# Altium PCB PCB1.PcbDoc
Units mil, origin at the board's own origin, x right, y up, seen from the top; angles counter-clockwise.
Board outline 6000 x 4000 mil, 2 copper layers (Top Layer, Bottom Layer); 34 components, 28 nets, 103 pads, 0 vias.
Unrouted connection lines stored in the file: 71.
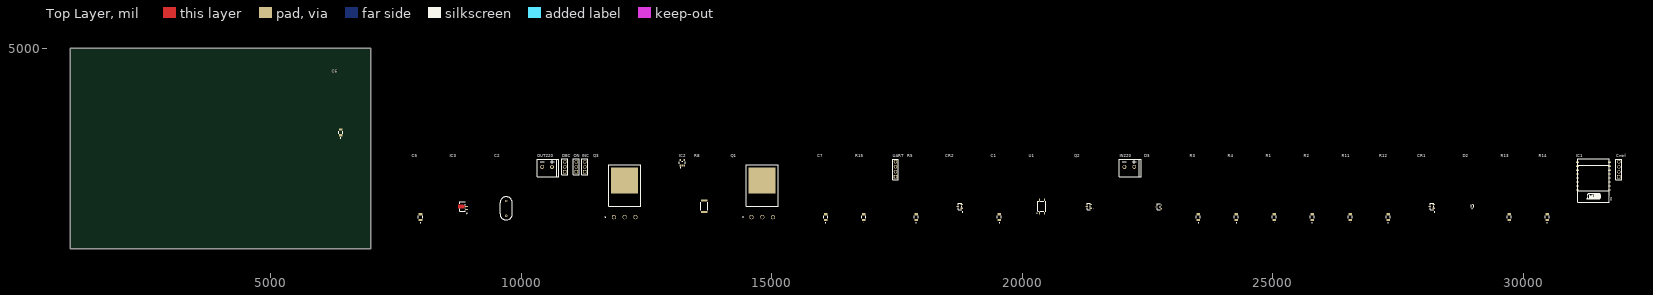
[diagram p0: Top Layer view]
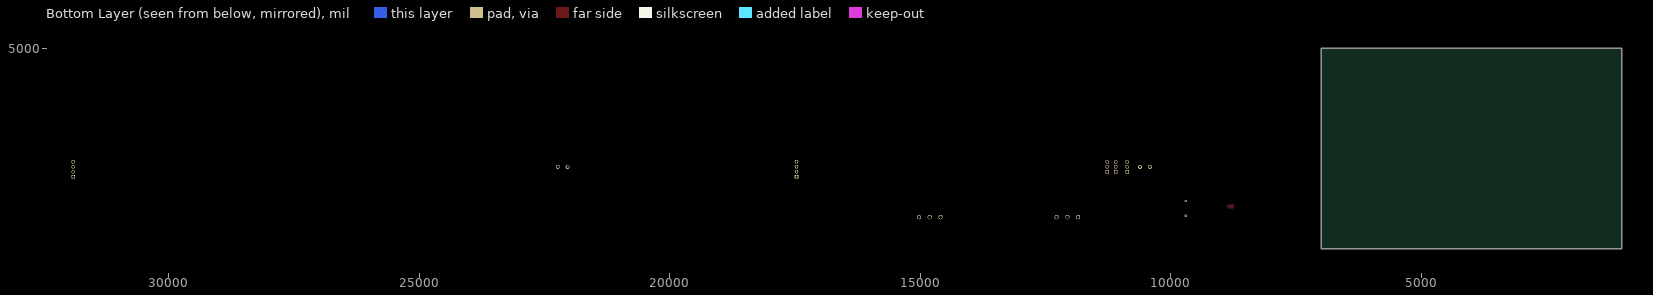
[diagram p1: Bottom Layer view, seen from below]

## Layer stack, top to bottom
Top Solder: solder mask 0.4, Solder Resist, Dk 3.5
Top Layer: signal copper 1.4
Dielectric 1: dielectric 12.6, FR-4, Dk 4.8
Bottom Layer: signal copper 1.4
Bottom Solder: solder mask 0.4, Solder Resist, Dk 3.5

## Board outline
1000,1000 7000,1000 7000,5000 1000,5000

## Design rules (kind name [scope] priority, off if disabled: settings)
Clearance [All] p1: gap=10
PolygonConnect [All] p1: connectstyle=Relief reliefconductorwidth=10 reliefentries=4 polygonreliefangle="90 Angle" airgapwidth=10
RoomDefinition dimmer [InComponentClass('dimmer')] p1: confinementstyle=ConfineIn formatcopy=TRUE lockcomponents=FALSE outline 7045,1060 32120,1060 32120,2900 7045,2900
RoutingVias [All] p1: holewidth=28 width=50 viastyle="Through Hole" minholewidth=28 minwidth=50 maxholewidth=28 maxwidth=50
SolderMaskExpansion [All] p1: expansion=4
Width [All] p1: maxlimit=10 minlimit=10 preferedwidth=10
30 further rules are at their usual default settings.

## Components (designator, comment, footprint, x,y, rotation, side; value= is the part's Value field where it differs from the comment)
C1 "1206 0.47u" CAP_X7R_1206_AVX 19545,1630 r90 top
C2 "CK45-E3AD103ZYGNA (0.01u)" CAP_CK45E3103_TDK 9700,1805 r90 top
C5 "C-1206 (0.1u)" CAP_X7R_1206_AVX 7990,1630 r90 top
C6 "C-1206" CAP_X7R_1206_AVX 6395,3321.11 r90 top
C7 "C-1206 0.47u" CAP_X7R_1206_AVX 16075,1630 r90 top
Cntrl "PLS-4" PLS-4 31905,2435 r90 top
CR1 "BAV99LT1G" SOT-23_TO-236_318-08_ONS 28175,1845 r90 top
CR2 "BAV99LT1G" SOT-23_TO-236_318-08_ONS 18755,1845 r90 top
D2 "1N4148WT" CR_SOD-523F_ONS 28985,1845 r90 top
D3 "BZX84C22VLFHT116" TRANS_BZX84_ROM 22725,1835 r90 top
DEC "PLS-3" PLS-3 10870,2635 r90 top
IC1 "ESP8266 ESP-07" "ESP8266 ESP-07" 31715,1955 r90 top
IC2 "FAN3100TSX" ON_Semi_527AH_0 13215,2715 r0 top
IC3 "L78L33ABUTR" SOT-89_STM 8830,1845 r90 top
IN220 "300-021-12" 300-021-12 21940,2435 r0 top
INC "PLS-3" PLS-3 11270,2635 r90 top
ON "PLS-3" PLS-3 11100,2635 r90 top
OUT220 "300-021-12" 300-021-12 10320,2435 r0 top
Q1 "IRFP460APBF" TO-247AC_VIS 14595,1630 r0 top
Q2 "BC807-25,215" SOT23_BC807_NEX 21325,1845 r90 top
Q3 "IRFP460APBF" TO-247AC_VIS 11850,1630 r0 top
R1 "120k" CAP_X7R_1206_AVX 25030,1630 r90 top
R2 "10k" CAP_X7R_1206_AVX 25785,1630 r90 top
R3 "330k" CAP_X7R_1206_AVX 23515,1630 r90 top
R4 "220" CAP_X7R_1206_AVX 24275,1630 r90 top
R5 "120k" CAP_X7R_1206_AVX 17880,1630 r90 top
R8 "220" RES2512_TL_TYCO_TYC 13655,1845 r90 top
R11 "10k" CAP_X7R_1206_AVX 26545,1630 r90 top
R12 "10k" CAP_X7R_1206_AVX 27300,1630 r90 top
R13 "10k" CAP_X7R_1206_AVX 29720,1630 r90 top
R14 "10k" CAP_X7R_1206_AVX 30475,1630 r90 top
R15 "10k" CAP_X7R_1206_AVX 16835,1630 r90 top
U1 "TLP183(GR-TPL,E" "4pin SO6_TOS" 20390,1845 r90 top
UART "PLS-4" PLS-4 17470,2435 r90 top

## Footprints (in the part's own frame and the unit in brackets; to place one, negate y for a bottom-side part, rotate by r counter-clockwise, add the part's x,y. Pads: shape width x height; smd on the part's side, far side on the other; paste and mask are expansions set on the pad)
"4pin SO6_TOS" [mil]
  rect 47.56x17.97 smd paste+0 mask+0: 1(-135.5,50) 3(-135.5,-50) 4(135.5,-50) 6(135.5,50)
  silkscreen extent -100,-78 100,78, body extent -138,-73 138,73, height 87
300-021-12 [mm]
  round 2 hole 1.2: 1(2.5,5) 2(7.5,5)
  silkscreen extent 0,0 11,9
CAP_CK45E3103_TDK [mil]
  round 46 hole 26 mask+0: 1(-147.64,0) 2(147.64,0)
  silkscreen extent -232,-123 232,123, body extent 0,0 10,10, height 10
CAP_X7R_1206_AVX [mil]
  rect 43.78x71 smd paste+0 mask+0: 1(-58.89,0) 2(58.89,0)
  silkscreen extent -117,-40 25,40, body extent -67,-36 67,36, height 50
CR_SOD-523F_ONS [mil]
  rect 15.87x14 smd paste+0 mask+0: 1(-33.44,0) 2(33.44,0)
  silkscreen extent -30,-23 30,23, body extent -34,-17 34,17, height 28
"ESP8266 ESP-07" [mm] "ESP8266 ESP-01"
  rect 0.6x1.4 smd: 1(5.533,-0.178) 2(7.533,-0.178) 3(9.533,-0.178) 4(11.533,-0.178) 5(13.533,-0.178) 6(15.533,-0.178) 7(17.533,-0.178) 8(19.533,-0.178) 9(19.533,16.104) 10(17.533,16.104) 11(15.533,16.104) 12(13.533,16.104) 13(11.533,16.104) 14(9.533,16.104) 15(7.533,16.104) 16(5.533,16.104)
  silkscreen extent -0.8,-0.05 21.25,16, body extent -0.81,0.07 21.19,16.07, height 3.5
ON_Semi_527AH_0 [mm]
  rect 0.7x1 smd paste+0 mask+0: 1(-0.95,-1.3) 2(0,-1.3) 3(0.95,-1.3) 4(0.95,1.3) 5(-0.95,1.3)
  silkscreen extent -1.5,-2.5 1.5,0.85, body extent -1.6,-1.9 1.6,1.9, height 1.5
PLS-3 [mm]
  rect 1.8x1.8 hole 1.2: 1(-2.605,-0.005)
  round 1.8 hole 1.2: 2(-0.065,-0.005) 3(2.475,-0.005)
  silkscreen extent -4.03,-1.5 3.97,1.5
PLS-4 [mm]
  rect 1.8x1.8 hole 1.2: 1(0,0)
  round 1.8 hole 1.2: 2(2.54,0) 3(5.08,0) 4(7.62,0)
  silkscreen extent -1.42,-1.5 9.01,1.5, body extent -1.28,-1.25 8.88,1.29, height 9.2
RES2512_TL_TYCO_TYC [mil]
  rect 39.87x126 smd paste+0 mask+0: 1(-113.94,0) 2(113.94,0)
  silkscreen extent -82,-68 82,68, body extent -126,-63 126,63, height 24
SOT23_BC807_NEX [mil]
  rect 21.36x45.56 smd paste+0 mask+0: 1(-37.5,-40) 2(37.5,-40) 3(0,40)
  silkscreen extent -64,-96 64,33, body extent -59,-49 59,49, height 43
SOT-23_TO-236_318-08_ONS [mil]
  rect 22.36x49.56 smd paste+0 mask+0: 1(-37.4,-41) 2(37.4,-41) 3(0,41)
  silkscreen extent -115,-57 65,33, body extent -60,-52 60,52, height 44
SOT-89_STM [mil]
  rect 19x54.87 smd paste+0 mask+0: 1(-61.81,-78.44) 3(61.81,-78.44)
  rect 22x54.87 smd paste+0 mask+0: 2(0,-78.44)
  Top Layer region: 11,-51 -11,-51 -11,-37 -36.98,-12.98 -36.98,82.78 36.98,82.78 36.98,-12.98 11,-37.98
  silkscreen extent -145,-89 96,56, body extent 0,0 10,10, height 10
TO-247AC_VIS [mil]
  round 85 hole 65 mask+0: 1(0,0) 2(214.96,0) 3(429.92,0)
  rect 540x515 smd paste+0 mask+0: 4(214.96,734)
  silkscreen extent -178,-5 532,1046, body extent -98,-14 527,1041, height 211
TRANS_BZX84_ROM [mil]
  rect 22x36 smd paste+0 mask+0: 1(-37.4,-47) 2(37.4,-47) 3(0,47)
  silkscreen extent -62,-31 62,31, body extent -57,-51 57,51, height 45

## Part data
C1 C5 C7: library part C-1206, "No Description Available"
C2: library part CK45-E3AD103ZYGNA, "No Description Available"
C6 CR1 CR2 D2 D3 IC3 Q1 Q2 Q3 U1: "No Description Available"
R1 R2 R3 R4 R5 R11 R12 R13 R14 R15: library part R-1206, "R-1206"
R8: library part R-2512, "No Description Available"

## Nets (pads, with @x,y where several pads share a name; then routed paths per layer and width w, separated by ;. In a path a pad name is that pad's centre, name@x,y a point inside that pad or via, vN(x,y) a via of type N, cw(c..) or ccw(c..) an arc to the next point about the centre after c; other vN are vias at no path point)
BTN_DEC: DEC.1 IC1.5
BTN_INC: IC1.6 INC.1
BTN_ON: IC1.7 ON.1
DETECT_NULL: IC1.13 R2.1 U1.6
GND: C5.1 C6.1 C7.1 Cntrl.2 Cntrl.3 DEC.3 IC1.9 IC2.2 IC2.4 IC3.2 INC.3 ON.3 Q1.2 Q3.2 R15.1 U1.4 UART.1
LOAD_CNTRL: IC1.4 IC2.3
MODE: IC1.14 UART.4
NetC1_1: C1.1 CR1.1 CR2.1 D3.2 R3.1 U1.3
NetC1_2: C1.2 D2.1 R4.1
NetC2_1: C2.1 OUT220.2 Q3.3
NetC2_2: C2.2 R8.1
NetCntrl_1: Cntrl.1 IC1.1 R12.1
NetCntrl_4: Cntrl.4 IC1.12 R13.1
NetCR1_2: CR1.2 CR2.2 D2.2 D3.3 Q2.1 R3.2
NetCR1_3: CR1.3 R1.2
NetCR2_3: CR2.3 R5.2
NetIC1_3: IC1.3 R11.1
NetIC1_10: IC1.10 R15.2
NetIC1_11: IC1.11 R14.1
NetIC2_5: IC2.5 Q1.1 Q3.1
NetIN220_1: IN220.1 OUT220.1 R5.1
NetIN220_2: IN220.2 Q1.3 R1.1 R8.2
NetQ2_2: Q2.2 R4.2
NetQ2_3: Q2.3 U1.1
RX: IC1.15 UART.2
TX: IC1.16 UART.3
VCC3.3: C5.2 C7.2 DEC.2 IC1.8 IC3.1 INC.2 ON.2 R2.2 R11.2 R12.2 R13.2 R14.2
VCC12: C6.2 IC2.1 IC3.3
pads on no net: D3.1 IC1.2 Q1.4 Q3.4

## Text inside footprints (layer, text, board x,y; h text height)
C1: Mechanical 7 "Default Padstyle: r111_180" at 19850.5,1305 h50 r90; Mechanical 7 "Alternate 1 Padstyle: b152_229h76" at 19950.5,1217.5 h50 r90; Mechanical 7 "Alternate 2 Padstyle: b229_152h76" at 20050.5,1217.5 h50 r90; Mechanical 7 "0.071in/1.803mm" at 19557.5,1817 h25 r90; Mechanical 7 "0.134in/3.404mm" at 19389.5,1536.25 h25 r90; Mechanical 7 "0.03in/0.762mm" at 19725.5,1594.5 h25 r90
C2: Mechanical 7 "0.453in/11.506mm" at 9512,1705 h25 r90; Mechanical 7 "0.2952756in/7.5mm" at 9913,1698.75 h25 r90; Mechanical 7 "0.236in/5.994mm" at 9712.5,2101.5 h25 r90; Mechanical 7 "Alt 2 Pad Style: b229_152h76" at 10243,1455 h50 r90; Mechanical 7 "Alt 1 Pad Style: b152_229h76" at 10168,1455 h50 r90; Mechanical 7 "Default Pad Style: c117h66" at 10093,1480 h50 r90
C5: Mechanical 7 "Default Padstyle: r111_180" at 8295.5,1305 h50 r90; Mechanical 7 "Alternate 1 Padstyle: b152_229h76" at 8395.5,1217.5 h50 r90; Mechanical 7 "Alternate 2 Padstyle: b229_152h76" at 8495.5,1217.5 h50 r90; Mechanical 7 "0.071in/1.803mm" at 8002.5,1817 h25 r90; Mechanical 7 "0.134in/3.404mm" at 7834.5,1536.25 h25 r90; Mechanical 7 "0.03in/0.762mm" at 8170.5,1594.5 h25 r90
C6: Mechanical 7 "0.071in/1.803mm" at 6407.5,3508.11 h25 r90; Mechanical 7 "0.134in/3.404mm" at 6239.5,3227.36 h25 r90; Mechanical 7 "0.03in/0.762mm" at 6575.5,3285.61 h25 r90
C7: Mechanical 7 "Default Padstyle: r111_180" at 16380.5,1305 h50 r90; Mechanical 7 "Alternate 1 Padstyle: b152_229h76" at 16480.5,1217.5 h50 r90; Mechanical 7 "Alternate 2 Padstyle: b229_152h76" at 16580.5,1217.5 h50 r90; Mechanical 7 "0.071in/1.803mm" at 16087.5,1817 h25 r90; Mechanical 7 "0.134in/3.404mm" at 15919.5,1536.25 h25 r90; Mechanical 7 "0.03in/0.762mm" at 16255.5,1594.5 h25 r90
CR1: Mechanical 7 "Top Padstyle: r57_126" at 28490.78,1582.5 h50 r90; Mechanical 7 "Bottom Padstyle: r57_126" at 28565.78,1545 h50 r90; Mechanical 7 "Alt 1 Padstyle: b152_229h76" at 28640.78,1507.5 h50 r90; Mechanical 7 "Alt 2 Padstyle: b229_152h76" at 28715.78,1507.5 h50 r90; Mechanical 7 "0.104in/2.642mm" at 28187.5,2075 h25 r90; Mechanical 7 "0.022in/0.559mm" at 28146.5,2000 h25 r90; Mechanical 7 "0.075in/1.9mm" at 28372,1763.75 h25 r90; Mechanical 7 "0.02in/0.508mm" at 28003,1757.5 h25 r90; Mechanical 7 "0.12in/3.048mm" at 27903,1757.5 h25 r90; Mechanical 7 "0.055in/1.397mm" at 28187.5,1477.5 h25 r90
CR2: Mechanical 7 "Top Padstyle: r57_126" at 19070.78,1582.5 h50 r90; Mechanical 7 "Bottom Padstyle: r57_126" at 19145.78,1545 h50 r90; Mechanical 7 "Alt 1 Padstyle: b152_229h76" at 19220.78,1507.5 h50 r90; Mechanical 7 "Alt 2 Padstyle: b229_152h76" at 19295.78,1507.5 h50 r90; Mechanical 7 "0.104in/2.642mm" at 18767.5,2075 h25 r90; Mechanical 7 "0.022in/0.559mm" at 18726.5,2000 h25 r90; Mechanical 7 "0.075in/1.9mm" at 18952,1763.75 h25 r90; Mechanical 7 "0.02in/0.508mm" at 18583,1757.5 h25 r90; Mechanical 7 "0.12in/3.048mm" at 18483,1757.5 h25 r90; Mechanical 7 "0.055in/1.397mm" at 18767.5,1477.5 h25 r90
D2: Mechanical 7 "0.051in/1.295mm" at 29147.5,1751.25 h25 r90; Mechanical 7 "0.035in/0.889mm" at 28997.5,2090.5 h25 r90; Mechanical 7 "0.014in/0.356mm" at 28997.5,1998.5 h25 r90; Mechanical 7 "0.008in/0.203mm" at 28908,1721.75 h25 r90; Mechanical 7 "0.067in/1.702mm" at 28808,1751.25 h25 r90; Mechanical 7 "Alt 2 Padstyle: b229_152h76" at 29467,1507.5 h50 r90; Mechanical 7 "Alt 1 Padstyle: b152_229h76" at 29392,1507.5 h50 r90; Mechanical 7 "Default Padstyle: r40_36" at 29317,1545 h50 r90; Top Overlay "*" at 29010,1776.13 h50 r90; Mechanical 13 "*" at 29010,1817 h50 r90
D3: Mechanical 7 "Top Padstyle: EX22Y36D0T" at 23040,1535 h50 r90; Mechanical 7 "Bottom Padstyle: RX22Y36D0T" at 23115,1497.5 h50 r90; Mechanical 7 "Alt 1 Padstyle: OX60Y90D30P" at 23190,1497.5 h50 r90; Mechanical 7 "Alt 2 Padstyle: OX90Y60D30P" at 23265,1497.5 h50 r90; Mechanical 7 "0.102in/2.591mm" at 22737.5,2062 h25 r90; Mechanical 7 "0.008in/0.203mm" at 22690.5,1987 h25 r90; Mechanical 7 "0.075in/1.9mm" at 22921,1753.75 h25 r90; Mechanical 7 "0.02in/0.508mm" at 22554,1747.5 h25 r90; Mechanical 7 "0.114in/2.896mm" at 22454,1741.25 h25 r90; Mechanical 7 "0.051in/1.295mm" at 22737.5,1470.5 h25 r90
IC3: Mechanical 7 "0.102in/2.591mm" at 8842.5,1447 h25 r90; Mechanical 7 "0.181in/4.597mm" at 8591,1751.25 h25 r90; Mechanical 7 "0.072in/1.829mm" at 8666,1751.25 h25 r90; Mechanical 7 "0.019in/0.483mm" at 9023,1575.69 h25 r90; Mechanical 7 "0.022in/0.559mm" at 9098,1865 h25 r90; Mechanical 7 "0.062in/1.57mm" at 9173,1726.59 h25 r90; Mechanical 7 "0.018in/0.457mm" at 8750,2030.5 h25 r90; Mechanical 7 "0.047in/1.194mm" at 8949.5,2030.5 h25 r90; Mechanical 7 "0.167in/4.242mm" at 8842.5,2105.5 h25 r90; Mechanical 7 "Alt 2 Padstyle: b229_152h76" at 9385.87,1507.5 h50 r90; Mechanical 7 "Alt 1 Padstyle: b152_229h76" at 9335.87,1507.5 h50 r90; Mechanical 7 "Pin 2 Padstyle: r56_139" at 9285.87,1557.5 h50 r90; Mechanical 7 "Default Padstyle: r48_139" at 9235.87,1532.5 h50 r90
Q1: Mechanical 7 "Pin 1 Padstyle: b216_216" at 14509.96,1387.5 h50; Mechanical 7 "Tab Padstyle: r1372_1308" at 14509.96,1312.5 h50; Mechanical 7 "Default Padstyle: b216_216h165" at 14434.96,1237.5 h50; Mechanical 7 "Alt 1 Padstyle: b152_229h76" at 14472.46,1162.5 h50; Mechanical 7 "Alt 2 Padstyle: b229_152h76" at 14472.46,1087.5 h50; Mechanical 7 "0.625in/15.875mm" at 14709.96,2766.5 h25; Mechanical 7 "0.43in/10.92mm" at 14722.46,1485 h25; Mechanical 7 "0in/0mm" at 14264.96,1617.5 h25; Mechanical 7 "0.815in/20.701mm" at 14177.46,2251.5 h25; Mechanical 7 "0.1in/2.54mm" at 15292.46,2301.5 h25; Mechanical 7 "0.634in/16.104mm" at 15242.46,1934.5 h25
Q2: Mechanical 7 "0.055in/1.397mm" at 21337.5,1478.5 h25 r90; Mechanical 7 "0.118in/2.997mm" at 21056,1751.25 h25 r90; Mechanical 7 "0.019in/0.483mm" at 21156,1751.25 h25 r90; Mechanical 7 "0.075in/1.905mm" at 21519,1751.25 h25 r90; Mechanical 7 "0.018in/0.457mm" at 21297.5,1999 h25 r90; Mechanical 7 "0.098in/2.489mm" at 21337.5,2074 h25 r90; Mechanical 7 "Alt 2 Padstyle: b229_152h76" at 21862.78,1507.5 h50 r90; Mechanical 7 "Alt 1 Padstyle: b152_229h76" at 21787.78,1507.5 h50 r90; Mechanical 7 "Bottom Padstyle: r54_116" at 21712.78,1545 h50 r90; Mechanical 7 "Top Padstyle: c54" at 21637.78,1632.5 h50 r90
Q3: Mechanical 7 "Pin 1 Padstyle: b216_216" at 11764.96,1387.5 h50; Mechanical 7 "Tab Padstyle: r1372_1308" at 11764.96,1312.5 h50; Mechanical 7 "Default Padstyle: b216_216h165" at 11689.96,1237.5 h50; Mechanical 7 "Alt 1 Padstyle: b152_229h76" at 11727.46,1162.5 h50; Mechanical 7 "Alt 2 Padstyle: b229_152h76" at 11727.46,1087.5 h50; Mechanical 7 "0.625in/15.875mm" at 11964.96,2766.5 h25; Mechanical 7 "0.43in/10.92mm" at 11977.46,1485 h25; Mechanical 7 "0in/0mm" at 11519.96,1617.5 h25; Mechanical 7 "0.815in/20.701mm" at 11432.46,2251.5 h25; Mechanical 7 "0.1in/2.54mm" at 12547.46,2301.5 h25; Mechanical 7 "0.634in/16.104mm" at 12497.46,1934.5 h25
R1: Mechanical 7 "Default Padstyle: r111_180" at 25335.5,1305 h50 r90; Mechanical 7 "Alternate 1 Padstyle: b152_229h76" at 25435.5,1217.5 h50 r90; Mechanical 7 "Alternate 2 Padstyle: b229_152h76" at 25535.5,1217.5 h50 r90; Mechanical 7 "0.071in/1.803mm" at 25042.5,1817 h25 r90; Mechanical 7 "0.134in/3.404mm" at 24874.5,1536.25 h25 r90; Mechanical 7 "0.03in/0.762mm" at 25210.5,1594.5 h25 r90
R2: Mechanical 7 "Default Padstyle: r111_180" at 26090.5,1305 h50 r90; Mechanical 7 "Alternate 1 Padstyle: b152_229h76" at 26190.5,1217.5 h50 r90; Mechanical 7 "Alternate 2 Padstyle: b229_152h76" at 26290.5,1217.5 h50 r90; Mechanical 7 "0.071in/1.803mm" at 25797.5,1817 h25 r90; Mechanical 7 "0.134in/3.404mm" at 25629.5,1536.25 h25 r90; Mechanical 7 "0.03in/0.762mm" at 25965.5,1594.5 h25 r90
R3: Mechanical 7 "Default Padstyle: r111_180" at 23820.5,1305 h50 r90; Mechanical 7 "Alternate 1 Padstyle: b152_229h76" at 23920.5,1217.5 h50 r90; Mechanical 7 "Alternate 2 Padstyle: b229_152h76" at 24020.5,1217.5 h50 r90; Mechanical 7 "0.071in/1.803mm" at 23527.5,1817 h25 r90; Mechanical 7 "0.134in/3.404mm" at 23359.5,1536.25 h25 r90; Mechanical 7 "0.03in/0.762mm" at 23695.5,1594.5 h25 r90
R4: Mechanical 7 "Default Padstyle: r111_180" at 24580.5,1305 h50 r90; Mechanical 7 "Alternate 1 Padstyle: b152_229h76" at 24680.5,1217.5 h50 r90; Mechanical 7 "Alternate 2 Padstyle: b229_152h76" at 24780.5,1217.5 h50 r90; Mechanical 7 "0.071in/1.803mm" at 24287.5,1817 h25 r90; Mechanical 7 "0.134in/3.404mm" at 24119.5,1536.25 h25 r90; Mechanical 7 "0.03in/0.762mm" at 24455.5,1594.5 h25 r90
R5: Mechanical 7 "Default Padstyle: r111_180" at 18185.5,1305 h50 r90; Mechanical 7 "Alternate 1 Padstyle: b152_229h76" at 18285.5,1217.5 h50 r90; Mechanical 7 "Alternate 2 Padstyle: b229_152h76" at 18385.5,1217.5 h50 r90; Mechanical 7 "0.071in/1.803mm" at 17892.5,1817 h25 r90; Mechanical 7 "0.134in/3.404mm" at 17724.5,1536.25 h25 r90; Mechanical 7 "0.03in/0.762mm" at 18060.5,1594.5 h25 r90
R8: Mechanical 7 "0.032in/0.813mm" at 13863,1861.25 h25 r90; Mechanical 7 "0.252in/6.401mm" at 13472,1751.25 h25 r90; Mechanical 7 "0.126in/3.2mm" at 13667.5,2091 h25 r90; Mechanical 7 "Alt 2 Padstyle: b229_152h76" at 14108,1507.5 h50 r90; Mechanical 7 "Alt 1 Padstyle: b152_229h76" at 14048,1507.5 h50 r90; Mechanical 7 "Default Padstyle: r101_320" at 13988,1520 h50 r90
R11: Mechanical 7 "Default Padstyle: r111_180" at 26850.5,1305 h50 r90; Mechanical 7 "Alternate 1 Padstyle: b152_229h76" at 26950.5,1217.5 h50 r90; Mechanical 7 "Alternate 2 Padstyle: b229_152h76" at 27050.5,1217.5 h50 r90; Mechanical 7 "0.071in/1.803mm" at 26557.5,1817 h25 r90; Mechanical 7 "0.134in/3.404mm" at 26389.5,1536.25 h25 r90; Mechanical 7 "0.03in/0.762mm" at 26725.5,1594.5 h25 r90
R12: Mechanical 7 "Default Padstyle: r111_180" at 27605.5,1305 h50 r90; Mechanical 7 "Alternate 1 Padstyle: b152_229h76" at 27705.5,1217.5 h50 r90; Mechanical 7 "Alternate 2 Padstyle: b229_152h76" at 27805.5,1217.5 h50 r90; Mechanical 7 "0.071in/1.803mm" at 27312.5,1817 h25 r90; Mechanical 7 "0.134in/3.404mm" at 27144.5,1536.25 h25 r90; Mechanical 7 "0.03in/0.762mm" at 27480.5,1594.5 h25 r90
R13: Mechanical 7 "Default Padstyle: r111_180" at 30025.5,1305 h50 r90; Mechanical 7 "Alternate 1 Padstyle: b152_229h76" at 30125.5,1217.5 h50 r90; Mechanical 7 "Alternate 2 Padstyle: b229_152h76" at 30225.5,1217.5 h50 r90; Mechanical 7 "0.071in/1.803mm" at 29732.5,1817 h25 r90; Mechanical 7 "0.134in/3.404mm" at 29564.5,1536.25 h25 r90; Mechanical 7 "0.03in/0.762mm" at 29900.5,1594.5 h25 r90
R14: Mechanical 7 "Default Padstyle: r111_180" at 30780.5,1305 h50 r90; Mechanical 7 "Alternate 1 Padstyle: b152_229h76" at 30880.5,1217.5 h50 r90; Mechanical 7 "Alternate 2 Padstyle: b229_152h76" at 30980.5,1217.5 h50 r90; Mechanical 7 "0.071in/1.803mm" at 30487.5,1817 h25 r90; Mechanical 7 "0.134in/3.404mm" at 30319.5,1536.25 h25 r90; Mechanical 7 "0.03in/0.762mm" at 30655.5,1594.5 h25 r90
R15: Mechanical 7 "Default Padstyle: r111_180" at 17140.5,1305 h50 r90; Mechanical 7 "Alternate 1 Padstyle: b152_229h76" at 17240.5,1217.5 h50 r90; Mechanical 7 "Alternate 2 Padstyle: b229_152h76" at 17340.5,1217.5 h50 r90; Mechanical 7 "0.071in/1.803mm" at 16847.5,1817 h25 r90; Mechanical 7 "0.134in/3.404mm" at 16679.5,1536.25 h25 r90; Mechanical 7 "0.03in/0.762mm" at 17015.5,1594.5 h25 r90
U1: Mechanical 7 "0.02in/0.508mm" at 20583,1622 h25 r90; Mechanical 7 "0.1in/2.54mm" at 20402.5,1439.5 h25 r90; Mechanical 7 "0.146in/3.708mm" at 20402.5,2059.5 h25 r90; Mechanical 7 "0.291in/7.391mm" at 20147,1751.25 h25 r90; Mechanical 7 "0.189in/4.801mm" at 20222,1751.25 h25 r90; Mechanical 7 "Alt 2 Padstyle: b229_152h76" at 20963,1507.5 h50 r90; Mechanical 7 "Alt 1 Padstyle: b152_229h76" at 20903,1507.5 h50 r90; Mechanical 7 "Pin One Padstyle: r121_46" at 20723,1532.5 h50 r90; Mechanical 7 "Default Padstyle: r121_46" at 20663,1532.5 h50 r90; Top Overlay "*" at 20327.03,1687 h50 r90; Mechanical 13 "*" at 20370,1753 h50 r90